# Altium PCB MB1166.PcbDoc (part 39 of 39)
Units mil, origin at the board's own origin, x right, y up, seen from the top; angles counter-clockwise.
Board outline 5000.99 x 2352.96 mil, 4 copper layers (TOP, L2_GND, L3_VCC, BOTTOM), stack 25.9 mil thick; 35 components, 24 nets, 166 pads, 143 vias.
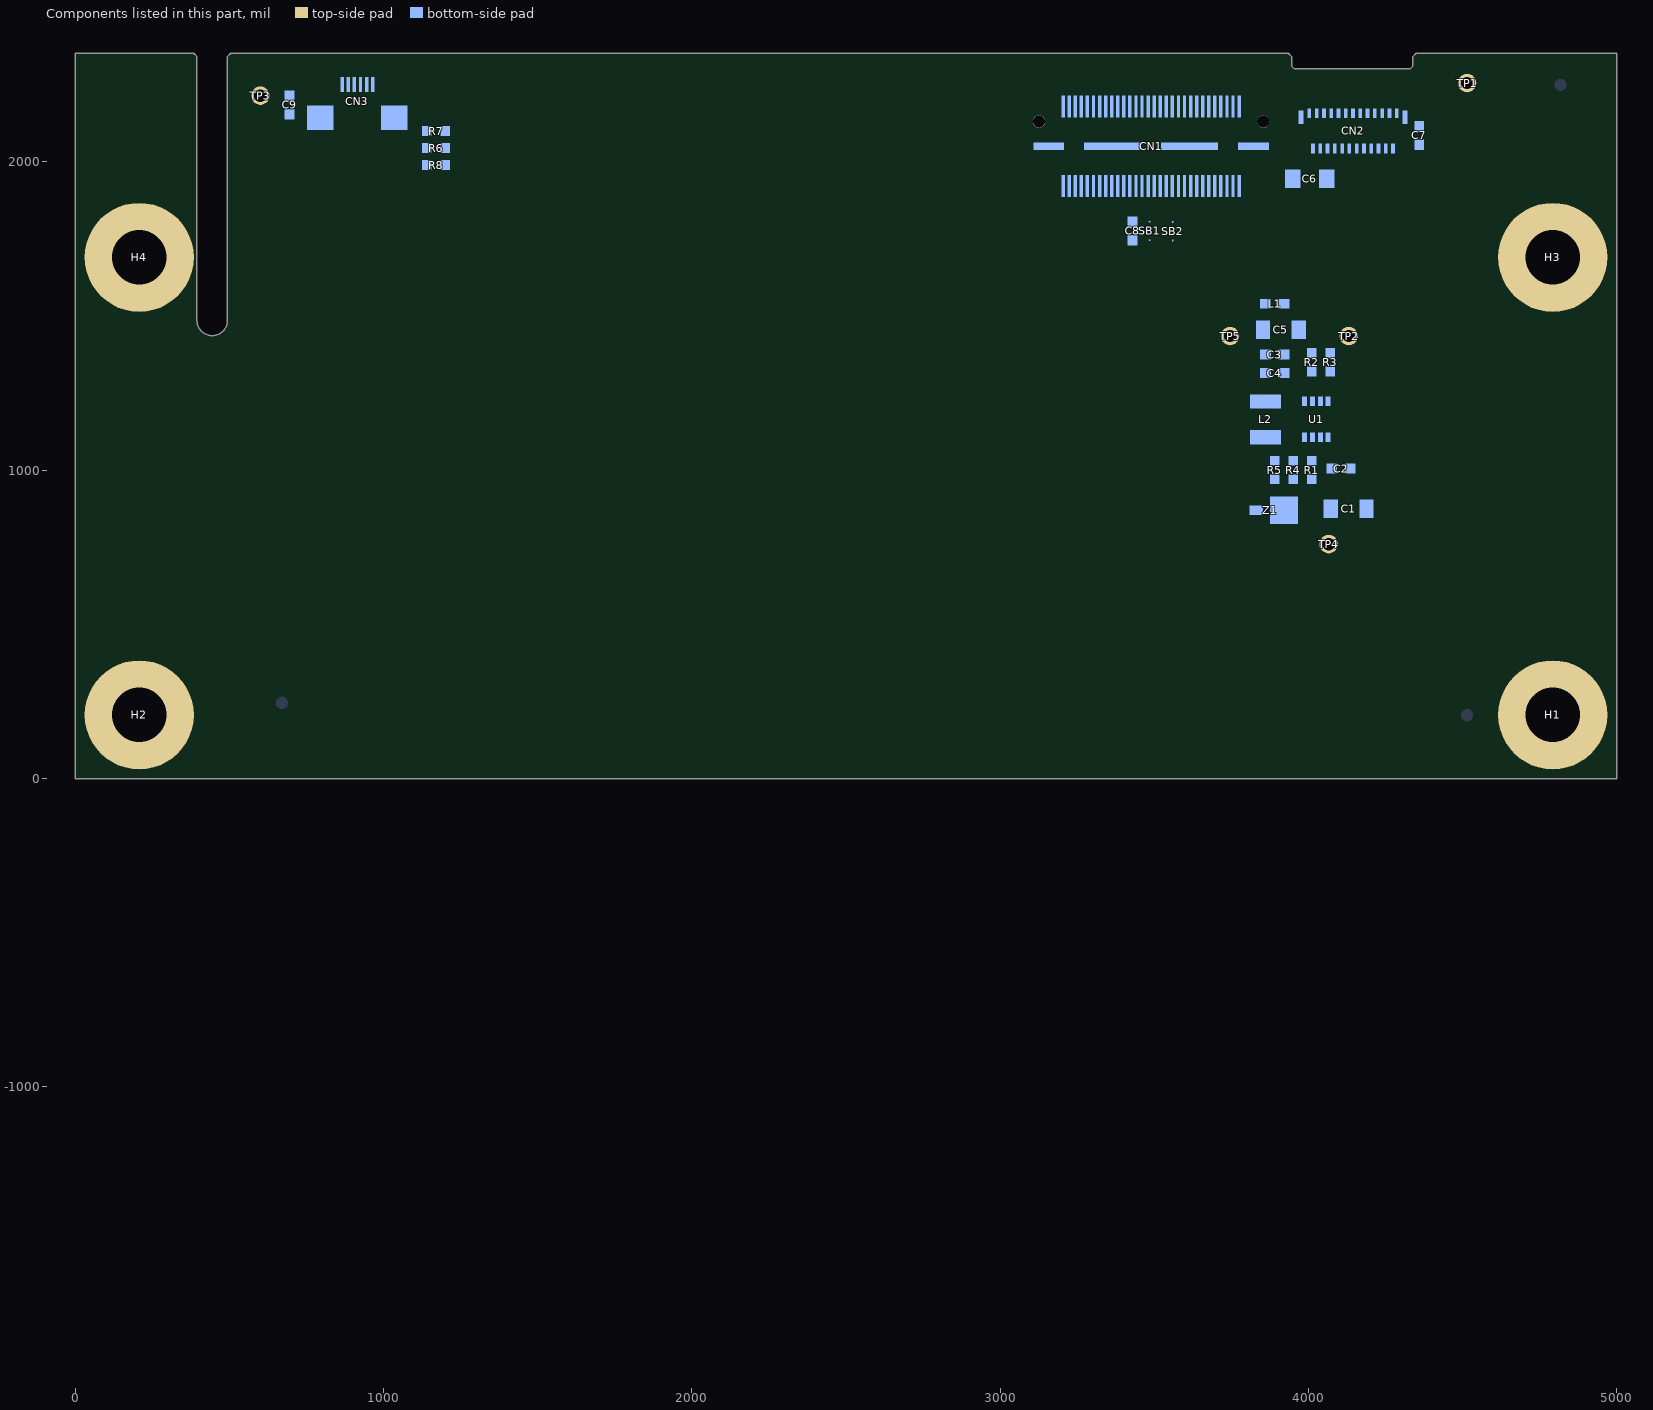
[diagram p41: the components of this part, seen from the top]

## Silkscreen, mask and mechanical layers (free items; w line width, h text height) (continued)
Drill Drawing:
  drawing of 25425 lines, arcs and shapes, not listed
  text "4" at 660,7300 h130
  text "4" at 660,7300 h130
  text "3" at 4660,7300 h130
  text "3" at 4660,7300 h130
  text "2" at 8660,7300 h130
  text "2" at 8660,7300 h130
  text "1" at 12660,7300 h130
  text "1" at 12660,7300 h130
  text "H" at 6787.98,6639.09 h75
  text "H" at 6787.98,6639.09 h75
  text "LAYER STACK-UP" at 6987.98,6639.09 h75
  text "LAYER STACK-UP" at 6987.98,6639.09 h75
  text "SOLDERMASK & SILKSCREEN" at 8677.98,6454.09 h60
  text "SOLDERMASK & SILKSCREEN" at 8677.98,6454.09 h60
  text "DRILL CHART: TOP to BOTTOM" at 1521.99,6448.46 h75
  text "LAYER 1 (0.5 oz cu+plating)" at 8686.68,6314.79 h60
  text "LAYER 1 (0.5 oz cu+plating)" at 8686.68,6314.79 h60
  text "ALL UNITS ARE IN MILS" at 1671.99,6198.46 h75
  text "PREPREG  3.9 MIL" at 7377.98,6154.09 h60
  text "PREPREG  3.9 MIL" at 7377.98,6154.09 h60
  text "LAYER 2 (1 oz)" at 8677.98,6029.09 h60
  text "LAYER 2 (1 oz)" at 8677.98,6029.09 h60
  text "FIGURE" at 525.99,5993.46 h75
  text "SIZE" at 1118.99,5993.46 h75
  text "TOLERANCE" at 1749.99,5993.46 h75
  text "PLATED" at 2651.99,5993.46 h75
  text "ROTATION" at 3217.99,5993.46 h75
  text "QTY" at 3838.99,5993.46 h75
  text "63 mil" at 6672.48,5986.59 h50
  text "63 mil" at 6672.48,5986.59 h50
  text "+/-10%" at 6677.98,5929.09 h40
  text "+/-10%" at 6677.98,5929.09 h40
  text "CORE" at 7367.98,5909.09 h60
  text "CORE" at 7367.98,5909.09 h60
  text "LAYER 3 (1 oz)" at 8677.98,5829.09 h60
  text "LAYER 3 (1 oz)" at 8677.98,5829.09 h60
  text "D" at -1590,5800 h130
  text "D" at -1590,5800 h130
  text "D" at 14710,5800 h130
  text "D" at 14710,5800 h130
  text "12.0" at 1118.99,5730.71 h75
  text "+3.0/-3.0" at 1749.99,5730.71 h75
  text "PLATED" at 2651.99,5730.71 h75
  text "-" at 3427.99,5730.71 h75
  text "143" at 3838.99,5730.71 h75
  text "PREPREG  3.9 MIL" at 7377.98,5654.09 h60
  text "PREPREG  3.9 MIL" at 7377.98,5654.09 h60
  text "LAYER 4 (0.5 oz cu+plating)" at 8677.98,5504.09 h60
  text "LAYER 4 (0.5 oz cu+plating)" at 8677.98,5504.09 h60
  text "40.0" at 1118.99,5465.21 h75
  text "+3.0/-3.0" at 1749.99,5465.21 h75
  text "PLATED" at 2651.99,5465.21 h75
  text "-" at 3427.99,5465.21 h75
  text "5" at 3898.99,5465.21 h75
  text "SOLDERMASK & SILKSCREEN" at 8677.98,5384.09 h60
  text "SOLDERMASK & SILKSCREEN" at 8677.98,5384.09 h60
  text "4 LAYER STACKING" at 7277.98,5239.09 h75
  text "4 LAYER STACKING" at 7277.98,5239.09 h75
  text "177.0" at 1088.99,5199.71 h75
  text "+3.0/-3.0" at 1749.99,5199.71 h75
  text "PLATED" at 2651.99,5199.71 h75
  text "-" at 3427.99,5199.71 h75
  text "4" at 3898.99,5199.71 h75
  text "40.0" at 1118.99,4934.21 h75
  text "+2.0/-2.0" at 1749.99,4934.21 h75
  text "NON-PLATED" at 2531.99,4934.21 h75
  text "-" at 3427.99,4934.21 h75
  text "2" at 3898.99,4934.21 h75
  text "TOTAL HOLES:" at 2944.99,4668.71 h75
  text "154" at 3838.99,4668.71 h75
  text "PCB SPECIFICATIONS:" at 6563.67,4629.59 h85
  text "PCB SPECIFICATIONS:" at 6563.67,4629.59 h85
  text "A. MATERIAL;" at 6563.67,4429.59 h85
  text "A. MATERIAL;" at 6563.67,4429.59 h85
  text "FR-4," at 8313.67,4429.59 h85
  text "FR-4," at 8313.67,4429.59 h85
  text "TG-170" at 9263.67,4429.59 h85
  text "TG-170" at 9263.67,4429.59 h85
  text "TG-150" at 10013.67,4429.59 h85
  text "TG-150" at 10013.67,4429.59 h85
  text "TG-140" at 10863.67,4429.59 h85
  text "TG-140" at 10863.67,4429.59 h85
  text "B. MATERIAL FAMILY;" at 6563.67,4229.59 h85
  text "B. MATERIAL FAMILY;" at 6563.67,4229.59 h85
  text "N/A." at 8313.67,4229.59 h85
  text "N/A." at 8313.67,4229.59 h85
  text "C. SOLDERMASK COLOR;" at 6563.67,4029.59 h85
  text "C. SOLDERMASK COLOR;" at 6563.67,4029.59 h85
  text "GREEN" at 8463.67,4029.59 h85
  text "GREEN" at 8463.67,4029.59 h85
  text "BLUE" at 9213.67,4029.59 h85
  text "BLUE" at 9213.67,4029.59 h85
  text "RED" at 10063.67,4029.59 h85
  text "RED" at 10063.67,4029.59 h85
  text "BLACK" at 10913.67,4029.59 h85
  text "BLACK" at 10913.67,4029.59 h85
  text "5" at 59.91,3948.94 h75
  text "5" at 59.91,3948.94 h75
  text "IMPEDANCE TABLE" at 249.91,3938.94 h85
  text "IMPEDANCE TABLE" at 249.91,3938.94 h85
  text "D. SILKSCREEN COLOR;" at 6563.67,3829.59 h85
  text "D. SILKSCREEN COLOR;" at 6563.67,3829.59 h85
  text "WHITE" at 8463.67,3829.59 h85
  text "WHITE" at 8463.67,3829.59 h85
  text "YELLOW" at 9213.67,3829.59 h85
  text "YELLOW" at 9213.67,3829.59 h85
  text "BLACK" at 10063.67,3829.59 h85
  text "BLACK" at 10063.67,3829.59 h85
  text "LAYER" at 259.91,3668.94 h75
  text "LAYER" at 259.91,3668.94 h75
  text "TOLERANCE" at 4009.91,3668.94 h75
  text "TOLERANCE" at 4009.91,3668.94 h75
  text "TRACE" at 1009.91,3658.94 h75
  text "TRACE" at 1009.91,3658.94 h75
  text "SPACEING" at 1559.91,3658.94 h75
  text "SPACEING" at 1559.91,3658.94 h75
  text "IMPEDANCE" at 2309.91,3658.94 h75
  text "IMPEDANCE" at 2309.91,3658.94 h75
  text "IMPEDANCE" at 3209.91,3658.94 h75
  text "IMPEDANCE" at 3209.91,3658.94 h75
  text "E. SURFACE FINISH;" at 6563.67,3629.59 h85
  text "E. SURFACE FINISH;" at 6563.67,3629.59 h85
  text "ENIG" at 8463.67,3629.59 h85
  text "ENIG" at 8463.67,3629.59 h85
  text "IMMERSION SILVER" at 9213.67,3629.59 h85
  text "IMMERSION SILVER" at 9213.67,3629.59 h85
  text "IMMERSION TIN" at 10913.67,3629.59 h85
  text "IMMERSION TIN" at 10913.67,3629.59 h85
  text "(mil)" at 1059.91,3568.94 h50
  text "(mil)" at 1059.91,3568.94 h50
  text "(Single end)" at 2359.91,3568.94 h50
  text "(Single end)" at 2359.91,3568.94 h50
  text "(mil)" at 1659.91,3558.94 h50
  text "(mil)" at 1659.91,3558.94 h50
  text "(Differential)" at 3209.91,3558.94 h50
  text "(Differential)" at 3209.91,3558.94 h50
  text "HASL" at 8463.67,3429.59 h85
  text "HASL" at 8463.67,3429.59 h85
  text "HASL(PB-FREE)" at 9213.67,3429.59 h85
  text "HASL(PB-FREE)" at 9213.67,3429.59 h85
  text "GOLDEN FINGER" at 10913.67,3429.59 h85
  text "GOLDEN FINGER" at 10913.67,3429.59 h85
  text "55 OHM" at 2300.64,3349.18 h75
  text "N/A" at 1651.71,3344.51 h75
  text "N/A" at 3334.72,3339.84 h75
  text "1,4" at 214.58,3338.36 h75
  text "5" at 1064.58,3338.36 h75
  text "+/-10%" at 4114.58,3338.36 h75
  text "C" at -1590,3290 h130
  text "C" at -1590,3290 h130
  text "C" at 14710,3290 h130
  text "C" at 14710,3290 h130
  text "NO" at 8463.67,3229.59 h85
  text "NO" at 8463.67,3229.59 h85
  text "YES" at 9213.67,3229.59 h85
  text "YES" at 9213.67,3229.59 h85
  text "(SEE IMPEDANCE TABLE FOR DETAIL INFORMATION)" at 9413.67,3229.59 h85
  text "(SEE IMPEDANCE TABLE FOR DETAIL INFORMATION)" at 9413.67,3229.59 h85
  text "F. IMPEDANCE CONTROL;" at 6660.67,3219.59 h85
  text "F. IMPEDANCE CONTROL;" at 6660.67,3219.59 h85
  text "1,4" at 209.91,3118.94 h75
  text "1,4" at 209.91,3118.94 h75
  text "5.1" at 1059.91,3118.94 h75
  text "5.1" at 1059.91,3118.94 h75
  text "9.9" at 1709.91,3118.94 h75
  text "9.9" at 1709.91,3118.94 h75
  text "N/A" at 2459.91,3118.94 h75
  text "N/A" at 2459.91,3118.94 h75
  text "100 OHM" at 3259.91,3118.94 h75
  text "100 OHM" at 3259.91,3118.94 h75
  text "+/-10%" at 4109.91,3118.94 h75
  text "+/-10%" at 4109.91,3118.94 h75
  text "PLUG THE VIAS WHICH ARE COVERED WITH SOLDERMASK ONE OR TWO SIDE." at 8013.67,3029.59 h85
  text "PLUG THE VIAS WHICH ARE COVERED WITH SOLDERMASK ONE OR TWO SIDE." at 8013.67,3029.59 h85
  text "G. THROUGH VIA;" at 6660.67,3019.59 h85
  text "G. THROUGH VIA;" at 6660.67,3019.59 h85
  text "PLUG MATERIAL:" at 8013.67,2829.59 h85
  text "PLUG MATERIAL:" at 8013.67,2829.59 h85
  text "SOLDERMASK" at 9613.67,2829.59 h85
  text "SOLDERMASK" at 9613.67,2829.59 h85
  text "NON-CONDUCTIVE EPOXY." at 10913.67,2829.59 h85
  text "NON-CONDUCTIVE EPOXY." at 10913.67,2829.59 h85
  text "SEE LAYER STACK-UP SEQUENCE FOR OVERALL THICKNESS." at 8013.67,2629.59 h85
  text "SEE LAYER STACK-UP SEQUENCE FOR OVERALL THICKNESS." at 8013.67,2629.59 h85
  text "H. STACK-UP;" at 6660.67,2619.59 h85
  text "H. STACK-UP;" at 6660.67,2619.59 h85
  text "PCB REQUIREMENTS:" at 6553.67,2329.59 h85
  text "PCB REQUIREMENTS:" at 6553.67,2329.59 h85
  text "1. THIS BOARD WILL CONFORM TO:" at 6503.67,2129.59 h85
  text "1. THIS BOARD WILL CONFORM TO:" at 6503.67,2129.59 h85
  text "IPC-A-600. CURRENT REV., CLASS II" at 6503.67,1979.59 h85
  text "IPC-A-600. CURRENT REV., CLASS II" at 6503.67,1979.59 h85
  text "IPC-6012, CURRENT REV., CLASS II" at 6503.67,1829.59 h85
  text "IPC-6012, CURRENT REV., CLASS II" at 6503.67,1829.59 h85
  text "2. UNLESS OTHERWISE SPECIFIED ALL HOLE DIMENSIONS APPLY AFTER PLATING." at 6503.67,1619.59 h85
  text "2. UNLESS OTHERWISE SPECIFIED ALL HOLE DIMENSIONS APPLY AFTER PLATING." at 6503.67,1619.59 h85
  text "ALL HOLES SHALL BE LOCATED WITHIN .003\" DIAMETER OF TRUE POSITION." at 6503.67,1469.59 h85
  text "ALL HOLES SHALL BE LOCATED WITHIN .003\" DIAMETER OF TRUE POSITION." at 6503.67,1469.59 h85
  text "3. PLATED HOLE WALL THICKNESS SHALL NOT BE LESS THAN .001 INCH MINIMUM" at 6503.67,1269.59 h85
  text "3. PLATED HOLE WALL THICKNESS SHALL NOT BE LESS THAN .001 INCH MINIMUM" at 6503.67,1269.59 h85
  text "AVERAGE, WITH NO READING LESS THAN .0008 BY COROSS SECTION." at 6683.67,1129.59 h85
  text "AVERAGE, WITH NO READING LESS THAN .0008 BY COROSS SECTION." at 6683.67,1129.59 h85
  text "59.74" at -275.21,1007.78 h85 r90
  text "59.74" at -275.21,1007.78 h85 r90
  text "4. MATERIAL FR4 RATING 94V-0 MINIMUM EPOXY GLASS LAMINATE." at 6503.67,919.59 h85
  text "4. MATERIAL FR4 RATING 94V-0 MINIMUM EPOXY GLASS LAMINATE." at 6503.67,919.59 h85
  text "B" at -1590,780 h130
  text "B" at -1590,780 h130
  text "B" at 14710,780 h130
  text "B" at 14710,780 h130
  text "5. BOARD SHALL BE LPI SOLDER MASKED OVER BARE COPPER BOTH SIDES PER" at 6503.67,739.59 h85
  text "5. BOARD SHALL BE LPI SOLDER MASKED OVER BARE COPPER BOTH SIDES PER" at 6503.67,739.59 h85
  text "IPC-SM-840 CLASS II." at 6503.67,589.59 h85
  text "IPC-SM-840 CLASS II." at 6503.67,589.59 h85
  text "6. SILKSCREEN SHALL BE PERMANENT NON-CONDUCTIVE INK AND WITH NO OVERLAP" at 6503.67,389.59 h85
  text "6. SILKSCREEN SHALL BE PERMANENT NON-CONDUCTIVE INK AND WITH NO OVERLAP" at 6503.67,389.59 h85
  text "ON ANY COMPONENT PAD OR THROUGH HOLE." at 6503.67,239.59 h85
  text "ON ANY COMPONENT PAD OR THROUGH HOLE." at 6503.67,239.59 h85
  text "7. MFGR, TO LEGIBLY ETCH OR STAMP/SCREEN WITH PERMANENT NON-CONDUCTIVE INK" at 6503.67,39.59 h85
  text "7. MFGR, TO LEGIBLY ETCH OR STAMP/SCREEN WITH PERMANENT NON-CONDUCTIVE INK" at 6503.67,39.59 h85
  text "D. MFGR. LOGO" at 8353.67,-90.41 h85
  text "D. MFGR. LOGO" at 8353.67,-90.41 h85
  text "A. U.L. CODE" at 6793.67,-110.41 h85
  text "A. U.L. CODE" at 6793.67,-110.41 h85
  text "127" at 2429.5,-172.5 h85
  text "127" at 2429.5,-172.5 h85
  text "E. SUCCESSFUL ELECTRICAL BOARD TEST." at 8353.67,-230.41 h85
  text "E. SUCCESSFUL ELECTRICAL BOARD TEST." at 8353.67,-230.41 h85
  text "B. DATE CODE" at 6793.67,-250.41 h85
  text "B. DATE CODE" at 6793.67,-250.41 h85
  text "C. FLAMMABILITY RATING" at 6793.67,-390.41 h85
  text "C. FLAMMABILITY RATING" at 6793.67,-390.41 h85
  text "8. REMOVE THE FLASHS WHICH SMALLER THAN HOLE SIZE." at 6503.67,-600.41 h85
  text "8. REMOVE THE FLASHS WHICH SMALLER THAN HOLE SIZE." at 6503.67,-600.41 h85
  text "9. REMOVE ALL SHAPE EDGES AND BURRS .005 MAXIMUM." at 6503.67,-800.41 h85
  text "9. REMOVE ALL SHAPE EDGES AND BURRS .005 MAXIMUM." at 6503.67,-800.41 h85
  text "10. PLEASE USE THE SUPPLIED IPC 356 NETLIST TO VERIFY BOARD BEFORE" at 6503.67,-1010.41 h85
  text "10. PLEASE USE THE SUPPLIED IPC 356 NETLIST TO VERIFY BOARD BEFORE" at 6503.67,-1010.41 h85
  text "COMPANY NAME:" at 3360,-1080 h60
  text "LAYER:" at 1760,-1130 h75
  text "FABRICATING BOARD." at 6503.67,-1160.41 h85
  text "FABRICATING BOARD." at 6503.67,-1160.41 h85
  text "ST" at 3510,-1230 h75
  text "FAB DARWING & DRILL LEGEND" at 1810,-1280 h60
  text "FAB DARWING & DRILL LEGEND" at 1810,-1280 h60
  text "PROJECT NAME:" at 3360,-1380 h60
  text "DESIGNED BY SOFER" at 490,-1400 h60
  text "www.sofer.com.cn" at 510,-1500 h60
  text "DESIGNER:" at 1810,-1530 h60
  text "Shelley" at 2310,-1530 h60
  text "MB1166" at 3510,-1530 h75
  text "Tel : +86 21 - 6482 6908" at 310,-1680 h60
  text "PROJECT NUMBER:" at 3360,-1680 h60
  text "REV" at 4560,-1680 h60
  text "A" at -1590,-1730 h130
  text "A" at -1590,-1730 h130
  text "A" at 14710,-1730 h130
  text "A" at 14710,-1730 h130
  text "Mail: design@sofer.com.cn" at 310,-1780 h60
  text "DATE:" at 1810,-1780 h60
  text "2014.08.27" at 2110,-1780 h60
  text "D031-013B1" at 3510,-1830 h75
  text "A" at 4660,-1830 h75
  text "4" at 660,-3400 h130
  text "4" at 660,-3400 h130
  text "3" at 4660,-3400 h130
  text "3" at 4660,-3400 h130
  text "2" at 8660,-3400 h130
  text "2" at 8660,-3400 h130
  text "1" at 12660,-3400 h130
  text "1" at 12660,-3400 h130
LAY6:
  lines w6: 0,0 4999.99,0 4999.99,2351.96 4350,2351.96 ccw(c4350,2341.96) 4340,2341.96 4340,2311.3 cw(c4330,2311.3) 4330,2301.3 3955,2301.3 cw(c3955,2311.3) 3945,2311.3 3945,2341.96 ccw(c3935,2341.96) 3935,2351.96 503.74,2351.96 ccw(c503.74,2341.96) 493.74,2341.96 493.74,1485.99 cw(c443.74,1485.99) 443.74,1435.99 cw(c443.74,1485.99) 393.74,1485.99 393.74,2341.96 ccw(c383.74,2341.96) 383.74,2351.96 0,2351.96 0,0
LAYER_COUNT:
  text "/XX" at 2260,-1130 h75
  text "/XX" at 2260,-1130 h75
ASSEMBLY_BOTTOM:
  lines w5: 846.49,2447.24 979.92,2447.24 ; 846.49,2488.58 979.92,2488.58 ; 3989.8,2135.43 4296.89,2135.43 ; 3989.8,2174.8 4296.89,2174.8 ; 433.11,1550 433.11,1786.22 570.9,1786.22 ccw(c570.91,1805.9) 590.59,1805.9 590.59,1845.27 cw(c610.28,1845.27) 610.27,1864.96 807.12,1864.96 ccw(c807.12,1904.33) 846.49,1904.33 846.49,2585.04 984.29,2585.04 984.29,1864.96 984.29,1490.94 cw(c964.61,1490.94) 964.6,1471.26 610.27,1471.26 cw(c610.27,1490.94) 590.59,1490.94 590.59,1530.31 ccw(c570.9,1530.31) 570.9,1550 433.11,1550 ; 3989.8,2037 3989.8,2351.96 4296.89,2351.96 4296.89,2037 3989.8,2037
  text "1" at 732.81,2530.98 h35
  text "6" at 827.81,2530.98 h35
  text "1" at 4019.64,2077.61 h35
  text "25" at 4210.64,2072.61 h35
  text "ASSEMBLY (SECONDARY)" at 3070,-1280 h60
  text "ASSEMBLY (SECONDARY)" at 3070,-1280 h60
ASSEMBLY_TOP:
  lines w5: 393.74,0 4603.58,0 4603.58,2351.96 393.74,2351.96 393.74,0 ; 768.94,139.76 768.94,2212.2 4202.01,2212.2 4202.01,139.76 768.94,139.76
  text "U88" at 2450.66,1160.98 h40
  text "Value" at 2478.66,-189.02 h30
  text "ASSEMBLY (PRIMARY)" at 1810,-1280 h60
  text "ASSEMBLY (PRIMARY)" at 1810,-1280 h60
MP_DRAWING:
  text "MUTI-PACK DRAWING" at 1810,-1280 h60
  text "MUTI-PACK DRAWING" at 1810,-1280 h60
REVISION_BLOCK:
  lines w1: 10460,5950 10460,7200 10460,5950 ; 10460,6150 14610,6150 10460,6150 ; 10460,6350 14610,6350 10460,6350 ; 10460,6550 14610,6550 10460,6550 ; 10460,6750 14610,6750 10460,6750 ; 10460,6950 14610,6950 10460,6950 ; 10860,5950 10860,6950 10860,5950 ; 13060,5950 13060,6950 13060,5950 ; 13810,5950 13810,6950 13810,5950
REVISION_DATA:
  text "REVISIONS" at 12010,7050 h85
  text "REVISIONS" at 12010,7050 h85
  text "REV" at 10560,6800 h75
  text "REV" at 10560,6800 h75
  text "DESCRIPTION" at 11110,6800 h75
  text "DESCRIPTION" at 11110,6800 h75
  text "DATE" at 13260,6800 h75
  text "DATE" at 13260,6800 h75
  text "APPROVED" at 13860,6800 h75
  text "APPROVED" at 13860,6800 h75
  text "1.0" at 10560,6600 h75
  text "1.0" at 10560,6600 h75
  text "EDITION ORIGINALE" at 11110,6600 h75
  text "EDITION ORIGINALE" at 11110,6600 h75
  text "2008-**-**" at 13110,6600 h75
  text "2008-**-**" at 13110,6600 h75
  text "***" at 14120,6600 h75
  text "***" at 14120,6600 h75
PLACE_BOUND_TOP:
  lines w5: 2207.66,2792.98 2667.66,2792.98
  text "Sofer Lib Information" at 2207.66,2802.98 h25
  text "Ref PN: KM-040TMP-02" at 2237.66,2752.98 h25
  text "Creat : Yuki" at 2237.66,2712.98 h25
  text "Date  : 2014-08-06" at 2237.66,2672.98 h25
  text "Rev   : A1" at 2237.66,2632.98 h25
  text "Remark: D031A1-B1" at 2237.66,2592.98 h25
  text "NO" at 2470.66,1175.98 h35
  text "LCD_KM-040TMP-02" at 2316.66,-189.02 h30

## Text inside footprints (layer, text, board x,y; h text height)
C1: PLACE_BOUND_TOP "C1206" at 4060.98,955 h30 r180; PLACE_BOUND_TOP "Remark: ***" at 4034.98,803 h25 r180; PLACE_BOUND_TOP "Rev   : C1" at 4034.98,763 h25 r180; PLACE_BOUND_TOP "Date  : 2010-12-15" at 4034.98,723 h25 r180; PLACE_BOUND_TOP "Creat : Sofer Tech" at 4034.98,683 h25 r180; PLACE_BOUND_TOP "Ref PN: ***" at 4034.98,643 h25 r180; PLACE_BOUND_TOP "Sofer Lib Information" at 4004.98,593 h25 r180; PLACE_BOUND_TOP "Approved" at 4018.98,875 h35 r180; PLACE_BOUND_TOP "2" at 4182.58,875 h16 r180; PLACE_BOUND_TOP "1" at 4066.58,875 h16 r180; ASSEMBLY_BOTTOM "4.7uF_50V" at 4012.98,955 h30 r180
C2: PLACE_BOUND_TOP "Remark: ***" at 4201.98,1072 h25; PLACE_BOUND_TOP "Rev   : B1" at 4201.98,1112 h25; PLACE_BOUND_TOP "Date  : 2007-05-10" at 4201.98,1152 h25; PLACE_BOUND_TOP "Creat : Sofer Tech" at 4201.98,1192 h25; PLACE_BOUND_TOP "Ref PN: ***" at 4201.98,1232 h25; PLACE_BOUND_TOP "Sofer Lib Information" at 4231.98,1282 h25; PLACE_BOUND_TOP "Approved" at 3993.98,1005 h35; PLACE_BOUND_TOP "C0603" at 4045.98,940 h30; PLACE_BOUND_TOP "1" at 4129.58,1005 h16; PLACE_BOUND_TOP "2" at 4069.58,1005 h16
C3: PLACE_BOUND_TOP "Remark: ***" at 3986.98,1442 h25; PLACE_BOUND_TOP "Rev   : B1" at 3986.98,1482 h25; PLACE_BOUND_TOP "Date  : 2007-05-10" at 3986.98,1522 h25; PLACE_BOUND_TOP "Creat : Sofer Tech" at 3986.98,1562 h25; PLACE_BOUND_TOP "Ref PN: ***" at 3986.98,1602 h25; PLACE_BOUND_TOP "Sofer Lib Information" at 4016.98,1652 h25; PLACE_BOUND_TOP "Approved" at 3778.98,1375 h35; PLACE_BOUND_TOP "C0603" at 3830.98,1310 h30; PLACE_BOUND_TOP "2" at 3854.58,1375 h16; PLACE_BOUND_TOP "1" at 3914.58,1375 h16
C4: PLACE_BOUND_TOP "Remark: ***" at 3986.98,1382 h25; PLACE_BOUND_TOP "Rev   : B1" at 3986.98,1422 h25; PLACE_BOUND_TOP "Date  : 2007-05-10" at 3986.98,1462 h25; PLACE_BOUND_TOP "Creat : Sofer Tech" at 3986.98,1502 h25; PLACE_BOUND_TOP "Ref PN: ***" at 3986.98,1542 h25; PLACE_BOUND_TOP "Sofer Lib Information" at 4016.98,1592 h25; PLACE_BOUND_TOP "Approved" at 3778.98,1315 h35; PLACE_BOUND_TOP "C0603" at 3830.98,1250 h30; PLACE_BOUND_TOP "2" at 3854.58,1315 h16; PLACE_BOUND_TOP "1" at 3914.58,1315 h16
C5: PLACE_BOUND_TOP "C1206" at 3840.98,1535 h30 r180; PLACE_BOUND_TOP "Remark: ***" at 3814.98,1383 h25 r180; PLACE_BOUND_TOP "Rev   : C1" at 3814.98,1343 h25 r180; PLACE_BOUND_TOP "Date  : 2010-12-15" at 3814.98,1303 h25 r180; PLACE_BOUND_TOP "Creat : Sofer Tech" at 3814.98,1263 h25 r180; PLACE_BOUND_TOP "Ref PN: ***" at 3814.98,1223 h25 r180; PLACE_BOUND_TOP "Sofer Lib Information" at 3784.98,1173 h25 r180; PLACE_BOUND_TOP "Approved" at 3798.98,1455 h35 r180; PLACE_BOUND_TOP "1" at 3846.58,1455 h16 r180; PLACE_BOUND_TOP "2" at 3962.58,1455 h16 r180; ASSEMBLY_BOTTOM "4.7uF_10V" at 3792.98,1535 h30 r180
C6: PLACE_BOUND_TOP "1" at 4053.6,1945.98 h16 r180; PLACE_BOUND_TOP "2" at 3943.6,1945.98 h16 r180
C7: PLACE_BOUND_TOP "Remark: ***" at 4427,1989.98 h25 r270; PLACE_BOUND_TOP "Rev   : B1" at 4467,1989.98 h25 r270; PLACE_BOUND_TOP "Date  : 2007-05-10" at 4507,1989.98 h25 r270; PLACE_BOUND_TOP "Creat : Sofer Tech" at 4547,1989.98 h25 r270; PLACE_BOUND_TOP "Ref PN: ***" at 4587,1989.98 h25 r270; PLACE_BOUND_TOP "Sofer Lib Information" at 4637,1959.98 h25 r270; PLACE_BOUND_TOP "Approved" at 4248,2085.98 h35 r270; PLACE_BOUND_TOP "C0603" at 4235,2085.98 h30 r270; PLACE_BOUND_TOP "2" at 4353.6,2115.98 h16 r270; PLACE_BOUND_TOP "1" at 4353.6,2055.98 h16 r270
C8: PLACE_BOUND_TOP "Remark: ***" at 3497,1679.98 h25 r270; PLACE_BOUND_TOP "Rev   : B1" at 3537,1679.98 h25 r270; PLACE_BOUND_TOP "Date  : 2007-05-10" at 3577,1679.98 h25 r270; PLACE_BOUND_TOP "Creat : Sofer Tech" at 3617,1679.98 h25 r270; PLACE_BOUND_TOP "Ref PN: ***" at 3657,1679.98 h25 r270; PLACE_BOUND_TOP "Sofer Lib Information" at 3707,1649.98 h25 r270; PLACE_BOUND_TOP "Approved" at 3318,1775.98 h35 r270; PLACE_BOUND_TOP "C0603" at 3305,1775.98 h30 r270; PLACE_BOUND_TOP "2" at 3423.6,1805.98 h16 r270; PLACE_BOUND_TOP "1" at 3423.6,1745.98 h16 r270
C9: PLACE_BOUND_TOP "Remark: ***" at 762,2089 h25 r270; PLACE_BOUND_TOP "Rev   : B1" at 802,2089 h25 r270; PLACE_BOUND_TOP "Date  : 2007-05-10" at 842,2089 h25 r270; PLACE_BOUND_TOP "Creat : Sofer Tech" at 882,2089 h25 r270; PLACE_BOUND_TOP "Ref PN: ***" at 922,2089 h25 r270; PLACE_BOUND_TOP "Sofer Lib Information" at 972,2059 h25 r270; PLACE_BOUND_TOP "Approved" at 583,2185 h35 r270; PLACE_BOUND_TOP "C0603" at 570,2185 h30 r270; PLACE_BOUND_TOP "2" at 688.6,2215 h16 r270; PLACE_BOUND_TOP "1" at 688.6,2155 h16 r270
CN1: PLACE_BOUND_TOP "Remark: D031-013A1" at 3771,2292.98 h25; PLACE_BOUND_TOP "Rev   : A1" at 3771,2332.98 h25; PLACE_BOUND_TOP "Date  : 2014-08-05" at 3771,2372.98 h25; PLACE_BOUND_TOP "Creat : Ziv" at 3771,2412.98 h25; PLACE_BOUND_TOP "Ref PN: QTH-030-02-F-D-A" at 3771,2452.98 h25; PLACE_BOUND_TOP "Sofer Lib Information" at 3801,2502.98 h25; PLACE_BOUND_TOP "QTH-30-02-L-D-A" at 3310,1755.98 h30; PLACE_BOUND_TOP "36" at 3428.01,1921.85 h15.98; PLACE_BOUND_TOP "4" at 3749.36,1921.85 h15.98; PLACE_BOUND_TOP "40" at 3388.64,1921.85 h15.98; PLACE_BOUND_TOP "44" at 3349.27,1921.85 h15.98; PLACE_BOUND_TOP "61" at 3809.7,2050.98 h15.98; PLACE_BOUND_TOP "62" at 3602.22,2050.98 h15.98; PLACE_BOUND_TOP "7" at 3709.99,2180.11 h15.98; PLACE_BOUND_TOP "1" at 3769.04,2180.11 h15.98; PLACE_BOUND_TOP "63" at 3352.22,2050.98 h15.98; PLACE_BOUND_TOP "64" at 3144.74,2050.98 h15.98; PLACE_BOUND_TOP "13" at 3644.54,2180.11 h15.98; PLACE_BOUND_TOP "19" at 3585.49,2180.11 h15.98; PLACE_BOUND_TOP "23" at 3546.12,2180.11 h15.98; PLACE_BOUND_TOP "21" at 3565.8,2180.11 h15.98; PLACE_BOUND_TOP "29" at 3487.06,2180.11 h15.98; PLACE_BOUND_TOP "27" at 3506.75,2180.11 h15.98; PLACE_BOUND_TOP "53" at 3250.84,2180.11 h15.98; PLACE_BOUND_TOP "49" at 3290.21,2180.11 h15.98; PLACE_BOUND_TOP "57" at 3211.47,2180.11 h15.98; PLACE_BOUND_TOP "32" at 3467.38,1921.85 h15.98; PLACE_BOUND_TOP "15" at 3624.86,2180.11 h15.98; PLACE_BOUND_TOP "17" at 3605.17,2180.11 h15.98; PLACE_BOUND_TOP "9" at 3690.3,2180.11 h15.98; PLACE_BOUND_TOP "11" at 3664.23,2180.11 h15.98; PLACE_BOUND_TOP "3" at 3749.36,2180.11 h15.98; PLACE_BOUND_TOP "5" at 3729.67,2180.11 h15.98; PLACE_BOUND_TOP "59" at 3191.79,2180.11 h15.98; PLACE_BOUND_TOP "58" at 3211.47,1921.85 h15.98; PLACE_BOUND_TOP "60" at 3191.79,1921.85 h15.98; PLACE_BOUND_TOP "51" at 3270.53,2180.11 h15.98; PLACE_BOUND_TOP "55" at 3231.16,2180.11 h15.98; PLACE_BOUND_TOP "50" at 3290.21,1921.85 h15.98; PLACE_BOUND_TOP "52" at 3270.53,1921.85 h15.98; PLACE_BOUND_TOP "54" at 3250.84,1921.85 h15.98; PLACE_BOUND_TOP "56" at 3231.16,1921.85 h15.98; PLACE_BOUND_TOP "47" at 3309.9,2180.11 h15.98; PLACE_BOUND_TOP "39" at 3388.64,2180.11 h15.98; PLACE_BOUND_TOP "41" at 3368.95,2180.11 h15.98; PLACE_BOUND_TOP "43" at 3349.27,2180.11 h15.98; PLACE_BOUND_TOP "45" at 3329.58,2180.11 h15.98; PLACE_BOUND_TOP "48" at 3309.9,1921.85 h15.98; PLACE_BOUND_TOP "42" at 3368.95,1921.85 h15.98; PLACE_BOUND_TOP "46" at 3329.58,1921.85 h15.98; PLACE_BOUND_TOP "31" at 3467.38,2180.11 h15.98; PLACE_BOUND_TOP "33" at 3447.69,2180.11 h15.98; PLACE_BOUND_TOP "35" at 3428.01,2180.11 h15.98; PLACE_BOUND_TOP "37" at 3408.32,2180.11 h15.98; PLACE_BOUND_TOP "34" at 3447.69,1921.85 h15.98; PLACE_BOUND_TOP "38" at 3408.32,1921.85 h15.98; PLACE_BOUND_TOP "25" at 3526.43,2180.11 h15.98; PLACE_BOUND_TOP "22" at 3565.8,1921.85 h15.98; PLACE_BOUND_TOP "24" at 3546.12,1921.85 h15.98; PLACE_BOUND_TOP "26" at 3526.43,1921.85 h15.98; PLACE_BOUND_TOP "28" at 3506.75,1921.85 h15.98; PLACE_BOUND_TOP "30" at 3487.06,1921.85 h15.98; PLACE_BOUND_TOP "14" at 3644.54,1921.85 h15.98; PLACE_BOUND_TOP "16" at 3624.86,1921.85 h15.98; PLACE_BOUND_TOP "18" at 3605.17,1921.85 h15.98; PLACE_BOUND_TOP "20" at 3585.49,1921.85 h15.98; PLACE_BOUND_TOP "6" at 3729.67,1921.85 h15.98; PLACE_BOUND_TOP "8" at 3709.99,1921.85 h15.98; PLACE_BOUND_TOP "10" at 3683.91,1921.85 h15.98; PLACE_BOUND_TOP "12" at 3664.23,1921.85 h15.98; PLACE_BOUND_TOP "2" at 3769.04,1921.85 h15.98; Bottom Overlay "50" at 3320,1830.98 h25; Bottom Overlay "40" at 3420,1830.98 h25; Bottom Overlay "30" at 3520,1830.98 h25; Bottom Overlay "20" at 3620,1830.98 h25; Bottom Overlay "10" at 3715,1830.98 h25; Bottom Overlay "59" at 3220,2235.98 h25; Bottom Overlay "60" at 3225,1830.98 h25; Bottom Overlay "2" at 3785,1840.98 h25
CN2: PLACE_BOUND_TOP "NO" at 4117,2100.98 h35 r180; PLACE_BOUND_TOP "Remark: D031-013A1" at 3976.83,1961.89 h25 r180; PLACE_BOUND_TOP "Rev   : A1" at 3976.83,1921.89 h25 r180; PLACE_BOUND_TOP "Date  : 2014-08-05" at 3976.83,1881.89 h25 r180; PLACE_BOUND_TOP "Creat : Ziv" at 3976.83,1841.89 h25 r180; PLACE_BOUND_TOP "Ref PN: FPC03025-1420" at 3976.83,1801.89 h25 r180; PLACE_BOUND_TOP "Sofer Lib Information" at 3946.83,1751.89 h25 r180; PLACE_BOUND_TOP "FPC25_FPC03025-1420" at 3932,2290.98 h30 r180; PLACE_BOUND_TOP "21" at 4226.69,2158.07 h16 r180; PLACE_BOUND_TOP "6" at 4055.92,2043.89 h16 r180; PLACE_BOUND_TOP "23" at 4250.31,2158.07 h16 r180; PLACE_BOUND_TOP "19" at 4203.07,2158.07 h16 r180; PLACE_BOUND_TOP "25" at 4273.93,2158.07 h16 r180; PLACE_BOUND_TOP "11" at 4108.58,2158.07 h16 r180; PLACE_BOUND_TOP "15" at 4155.82,2158.07 h16 r180; PLACE_BOUND_TOP "7" at 4067.73,2158.07 h16 r180; PLACE_BOUND_TOP "4" at 4032.3,2043.89 h16 r180; PLACE_BOUND_TOP "2" at 4008.68,2043.89 h16 r180; PLACE_BOUND_TOP "24" at 4262.12,2043.89 h16 r180; PLACE_BOUND_TOP "13" at 4132.2,2158.07 h16 r180; PLACE_BOUND_TOP "17" at 4179.44,2158.07 h16 r180; PLACE_BOUND_TOP "20" at 4214.88,2043.89 h16 r180; PLACE_BOUND_TOP "1" at 3996.87,2158.07 h16 r180; PLACE_BOUND_TOP "9" at 4091.36,2158.07 h16 r180; PLACE_BOUND_TOP "22" at 4238.5,2043.89 h16 r180; PLACE_BOUND_TOP "5" at 4044.11,2158.07 h16 r180; PLACE_BOUND_TOP "18" at 4191.26,2043.89 h16 r180; PLACE_BOUND_TOP "16" at 4167.63,2043.89 h16 r180; PLACE_BOUND_TOP "10" at 4096.77,2043.89 h16 r180; PLACE_BOUND_TOP "8" at 4079.54,2043.89 h16 r180; PLACE_BOUND_TOP "14" at 4144.01,2043.89 h16 r180; PLACE_BOUND_TOP "12" at 4120.39,2043.89 h16 r180; PLACE_BOUND_TOP "3" at 4020.49,2158.07 h16 r180
CN3: PLACE_BOUND_TOP "NO" at 897.63,2145.98 h35; PLACE_BOUND_TOP "FH19C-6S-0R5SH_FPC_CPT" at 651.94,1890.98 h30; PLACE_BOUND_TOP "Remark: D031-013A1\B1" at 1073.82,2371.02 h25; PLACE_BOUND_TOP "Rev   : A1" at 1073.82,2411.02 h25; PLACE_BOUND_TOP "Date  : 2014-08-05" at 1073.82,2451.02 h25; PLACE_BOUND_TOP "Creat : Yuki" at 1073.82,2491.02 h25; PLACE_BOUND_TOP "Ref PN: FH19C-6S-0.5SH" at 1073.82,2531.02 h25; PLACE_BOUND_TOP "Sofer Lib Information" at 1103.82,2581.02 h25; PLACE_BOUND_TOP "1" at 859.4,2250.98 h15.98; PLACE_BOUND_TOP "2" at 879.08,2250.98 h15.98; PLACE_BOUND_TOP "4" at 918.45,2250.98 h15.98; PLACE_BOUND_TOP "3" at 898.77,2250.98 h15.98; PLACE_BOUND_TOP "6" at 957.82,2250.98 h15.98; PLACE_BOUND_TOP "8" at 788.53,2143.7 h15.98; PLACE_BOUND_TOP "7" at 1028.69,2143.7 h15.98; PLACE_BOUND_TOP "5" at 938.14,2250.98 h15.98; ASSEMBLY_BOTTOM "FH19C-6S-0.5SH" at 714,2035.98 h35
H1: PLACE_BOUND_TOP "OK" at 4764.99,205.83 h35; PLACE_BOUND_TOP "HOLE_C9D4R5" at 4700.99,-54.17 h30; PLACE_BOUND_TOP "Remark: D031-006A1" at 4656.99,447.83 h25; PLACE_BOUND_TOP "Rev   : A1" at 4656.99,487.83 h25; PLACE_BOUND_TOP "Date  : 2012-08-01" at 4656.99,527.83 h25; PLACE_BOUND_TOP "Creat : Yuki" at 4656.99,567.83 h25; PLACE_BOUND_TOP "Ref PN: M4 HOLE" at 4656.99,607.83 h25; PLACE_BOUND_TOP "Sofer Lib Information" at 4626.99,657.83 h25; PLACE_BOUND_TOP "1" at 4790.19,195.83 h16
H2: PLACE_BOUND_TOP "OK" at 179,205.83 h35; PLACE_BOUND_TOP "HOLE_C9D4R5" at 115,-54.17 h30; PLACE_BOUND_TOP "Remark: D031-006A1" at 71,447.83 h25; PLACE_BOUND_TOP "Rev   : A1" at 71,487.83 h25; PLACE_BOUND_TOP "Date  : 2012-08-01" at 71,527.83 h25; PLACE_BOUND_TOP "Creat : Yuki" at 71,567.83 h25; PLACE_BOUND_TOP "Ref PN: M4 HOLE" at 71,607.83 h25; PLACE_BOUND_TOP "Sofer Lib Information" at 41,657.83 h25; PLACE_BOUND_TOP "1" at 204.2,195.83 h16
H3: PLACE_BOUND_TOP "OK" at 4764.99,1690.24 h35; PLACE_BOUND_TOP "HOLE_C9D4R5" at 4700.99,1430.24 h30; PLACE_BOUND_TOP "Remark: D031-006A1" at 4656.99,1932.24 h25; PLACE_BOUND_TOP "Rev   : A1" at 4656.99,1972.24 h25; PLACE_BOUND_TOP "Date  : 2012-08-01" at 4656.99,2012.24 h25; PLACE_BOUND_TOP "Creat : Yuki" at 4656.99,2052.24 h25; PLACE_BOUND_TOP "Ref PN: M4 HOLE" at 4656.99,2092.24 h25; PLACE_BOUND_TOP "Sofer Lib Information" at 4626.99,2142.24 h25; PLACE_BOUND_TOP "1" at 4790.19,1680.24 h16
H4: PLACE_BOUND_TOP "OK" at 179,1690.24 h35; PLACE_BOUND_TOP "HOLE_C9D4R5" at 115,1430.24 h30; PLACE_BOUND_TOP "Remark: D031-006A1" at 71,1932.24 h25; PLACE_BOUND_TOP "Rev   : A1" at 71,1972.24 h25; PLACE_BOUND_TOP "Date  : 2012-08-01" at 71,2012.24 h25; PLACE_BOUND_TOP "Creat : Yuki" at 71,2052.24 h25; PLACE_BOUND_TOP "Ref PN: M4 HOLE" at 71,2092.24 h25; PLACE_BOUND_TOP "Sofer Lib Information" at 41,2142.24 h25; PLACE_BOUND_TOP "1" at 204.2,1680.24 h16
L1: PLACE_BOUND_TOP "Remark: ***" at 4031.98,1592 h25; PLACE_BOUND_TOP "Rev   : B1" at 4031.98,1632 h25; PLACE_BOUND_TOP "Date  : 2007-11-27" at 4031.98,1672 h25; PLACE_BOUND_TOP "Creat : Sofer Tech" at 4031.98,1712 h25; PLACE_BOUND_TOP "Ref PN: ***" at 4031.98,1752 h25; PLACE_BOUND_TOP "Sofer Lib Information" at 4061.98,1802 h25; PLACE_BOUND_TOP "L0603" at 3835.98,1470 h30; PLACE_BOUND_TOP "Approved" at 3763.98,1528.33 h35; PLACE_BOUND_TOP "2" at 3854.58,1540 h16; PLACE_BOUND_TOP "1" at 3914.58,1540 h16
L2: PLACE_BOUND_TOP "Remark: Updated Pad size" at 3778.98,1286 h25 r90; PLACE_BOUND_TOP "Rev   : C1" at 3738.98,1286 h25 r90; PLACE_BOUND_TOP "Date  : 2010-12-15" at 3698.98,1286 h25 r90; PLACE_BOUND_TOP "Creat : Sofer Tech" at 3658.98,1286 h25 r90; PLACE_BOUND_TOP "Ref PN: ***" at 3618.98,1286 h25 r90; PLACE_BOUND_TOP "Sofer Lib Information" at 3568.98,1316 h25 r90; PLACE_BOUND_TOP "L1210" at 3909.98,1170 h30 r90; PLACE_BOUND_TOP "Approved" at 3748.98,1165 h35 r90; PLACE_BOUND_TOP "1" at 3854.58,1223 h16 r90; PLACE_BOUND_TOP "2" at 3854.58,1107 h16 r90
R1: PLACE_BOUND_TOP "Remark: ***" at 3948.98,1127 h25 r90; PLACE_BOUND_TOP "Rev   : B1" at 3908.98,1127 h25 r90; PLACE_BOUND_TOP "Date  : 2007-05-10" at 3868.98,1127 h25 r90; PLACE_BOUND_TOP "Creat : Sofer Tech" at 3828.98,1127 h25 r90; PLACE_BOUND_TOP "Ref PN: ***" at 3788.98,1127 h25 r90; PLACE_BOUND_TOP "Sofer Lib Information" at 3738.98,1157 h25 r90; PLACE_BOUND_TOP "Approved" at 3898.98,1000 h35 r90; PLACE_BOUND_TOP "R0603" at 4015.98,1000 h30 r90; PLACE_BOUND_TOP "1" at 4004.58,1030 h16 r90; PLACE_BOUND_TOP "2" at 4004.58,970 h16 r90
R2: PLACE_BOUND_TOP "Remark: ***" at 4072.98,1223 h25 r270; PLACE_BOUND_TOP "Rev   : B1" at 4112.98,1223 h25 r270; PLACE_BOUND_TOP "Date  : 2007-05-10" at 4152.98,1223 h25 r270; PLACE_BOUND_TOP "Creat : Sofer Tech" at 4192.98,1223 h25 r270; PLACE_BOUND_TOP "Ref PN: ***" at 4232.98,1223 h25 r270; PLACE_BOUND_TOP "Sofer Lib Information" at 4282.98,1193 h25 r270; PLACE_BOUND_TOP "Approved" at 3898.98,1350 h35 r270; PLACE_BOUND_TOP "R0603" at 3885.98,1350 h30 r270; PLACE_BOUND_TOP "2" at 4004.58,1380 h16 r270; PLACE_BOUND_TOP "1" at 4004.58,1320 h16 r270
R3: PLACE_BOUND_TOP "Remark: ***" at 4008.98,1477 h25 r90; PLACE_BOUND_TOP "Rev   : B1" at 3968.98,1477 h25 r90; PLACE_BOUND_TOP "Date  : 2007-05-10" at 3928.98,1477 h25 r90; PLACE_BOUND_TOP "Creat : Sofer Tech" at 3888.98,1477 h25 r90; PLACE_BOUND_TOP "Ref PN: ***" at 3848.98,1477 h25 r90; PLACE_BOUND_TOP "Sofer Lib Information" at 3798.98,1507 h25 r90; PLACE_BOUND_TOP "Approved" at 3958.98,1350 h35 r90; PLACE_BOUND_TOP "R0603" at 4075.98,1350 h30 r90; PLACE_BOUND_TOP "2" at 4064.58,1320 h16 r90; PLACE_BOUND_TOP "1" at 4064.58,1380 h16 r90
R4: PLACE_BOUND_TOP "Remark: ***" at 3888.98,1127 h25 r90; PLACE_BOUND_TOP "Rev   : B1" at 3848.98,1127 h25 r90; PLACE_BOUND_TOP "Date  : 2007-05-10" at 3808.98,1127 h25 r90; PLACE_BOUND_TOP "Creat : Sofer Tech" at 3768.98,1127 h25 r90; PLACE_BOUND_TOP "Ref PN: ***" at 3728.98,1127 h25 r90; PLACE_BOUND_TOP "Sofer Lib Information" at 3678.98,1157 h25 r90; PLACE_BOUND_TOP "Approved" at 3838.98,1000 h35 r90; PLACE_BOUND_TOP "R0603" at 3955.98,1000 h30 r90; PLACE_BOUND_TOP "2" at 3944.58,970 h16 r90; PLACE_BOUND_TOP "1" at 3944.58,1030 h16 r90; ASSEMBLY_BOTTOM "[N_A]" at 3920.98,1000 h20 r90
R5: PLACE_BOUND_TOP "Remark: ***" at 3828.98,1127 h25 r90; PLACE_BOUND_TOP "Rev   : B1" at 3788.98,1127 h25 r90; PLACE_BOUND_TOP "Date  : 2007-05-10" at 3748.98,1127 h25 r90; PLACE_BOUND_TOP "Creat : Sofer Tech" at 3708.98,1127 h25 r90; PLACE_BOUND_TOP "Ref PN: ***" at 3668.98,1127 h25 r90; PLACE_BOUND_TOP "Sofer Lib Information" at 3618.98,1157 h25 r90; PLACE_BOUND_TOP "Approved" at 3778.98,1000 h35 r90; PLACE_BOUND_TOP "R0603" at 3895.98,1000 h30 r90; PLACE_BOUND_TOP "2" at 3884.58,970 h16 r90; PLACE_BOUND_TOP "1" at 3884.58,1030 h16 r90
R6: PLACE_BOUND_TOP "Remark: ***" at 1043,1983 h25 r180; PLACE_BOUND_TOP "Rev   : B1" at 1043,1943 h25 r180; PLACE_BOUND_TOP "Date  : 2007-05-10" at 1043,1903 h25 r180; PLACE_BOUND_TOP "Creat : Sofer Tech" at 1043,1863 h25 r180; PLACE_BOUND_TOP "Ref PN: ***" at 1043,1823 h25 r180; PLACE_BOUND_TOP "Sofer Lib Information" at 1013,1773 h25 r180; PLACE_BOUND_TOP "Approved" at 1058,2045 h35 r180; PLACE_BOUND_TOP "R0603" at 1110,2110 h30 r180; PLACE_BOUND_TOP "2" at 1193.6,2045 h16 r180; PLACE_BOUND_TOP "1" at 1133.6,2045 h16 r180; ASSEMBLY_BOTTOM "[N_A]" at 1059,2049.21 h20 r180
R7: PLACE_BOUND_TOP "Remark: ***" at 1043,2038 h25 r180; PLACE_BOUND_TOP "Rev   : B1" at 1043,1998 h25 r180; PLACE_BOUND_TOP "Date  : 2007-05-10" at 1043,1958 h25 r180; PLACE_BOUND_TOP "Creat : Sofer Tech" at 1043,1918 h25 r180; PLACE_BOUND_TOP "Ref PN: ***" at 1043,1878 h25 r180; PLACE_BOUND_TOP "Sofer Lib Information" at 1013,1828 h25 r180; PLACE_BOUND_TOP "Approved" at 1058,2100 h35 r180; PLACE_BOUND_TOP "R0603" at 1110,2165 h30 r180; PLACE_BOUND_TOP "2" at 1193.6,2100 h16 r180; PLACE_BOUND_TOP "1" at 1133.6,2100 h16 r180; ASSEMBLY_BOTTOM "[N_A]" at 1057,2108 h20 r180
R8: PLACE_BOUND_TOP "Remark: ***" at 1297,2052 h25; PLACE_BOUND_TOP "Rev   : B1" at 1297,2092 h25; PLACE_BOUND_TOP "Date  : 2007-05-10" at 1297,2132 h25; PLACE_BOUND_TOP "Creat : Sofer Tech" at 1297,2172 h25; PLACE_BOUND_TOP "Ref PN: ***" at 1297,2212 h25; PLACE_BOUND_TOP "Sofer Lib Information" at 1327,2262 h25; PLACE_BOUND_TOP "Approved" at 1058,1990 h35; PLACE_BOUND_TOP "R0603" at 1110,1925 h30; PLACE_BOUND_TOP "1" at 1193.6,1990 h16; PLACE_BOUND_TOP "2" at 1133.6,1990 h16
SB1: PLACE_BOUND_TOP "2" at 3491.93,1748.98 h16 r90; PLACE_BOUND_TOP "1" at 3491.93,1802.98 h16 r90
SB2: PLACE_BOUND_TOP "2" at 3566.93,1748 h16 r90; PLACE_BOUND_TOP "1" at 3566.93,1802 h16 r90
TP1: PLACE_BOUND_TOP "Approved" at 4403,2255.98 h35; PLACE_BOUND_TOP "Remark: ***" at 4641,2327.98 h25; PLACE_BOUND_TOP "Rev   : A1" at 4641,2367.98 h25; PLACE_BOUND_TOP "Date  : 2007-04-26" at 4641,2407.98 h25; PLACE_BOUND_TOP "Ref PN: ***" at 4641,2487.98 h25; PLACE_BOUND_TOP "Sofer Lib Information" at 4671,2537.98 h25; PLACE_BOUND_TOP "Creat : Sofer Tech" at 4641,2447.98 h25; PLACE_BOUND_TOP "1" at 4508.6,2255.98 h16
TP2: PLACE_BOUND_TOP "Approved" at 4018.98,1435 h35 r270; PLACE_BOUND_TOP "Remark: ***" at 4202.98,1309 h25 r270; PLACE_BOUND_TOP "Rev   : A1" at 4242.98,1309 h25 r270; PLACE_BOUND_TOP "Date  : 2007-04-26" at 4282.98,1309 h25 r270; PLACE_BOUND_TOP "Ref PN: ***" at 4362.98,1309 h25 r270; PLACE_BOUND_TOP "Sofer Lib Information" at 4412.98,1279 h25 r270; PLACE_BOUND_TOP "Creat : Sofer Tech" at 4322.98,1309 h25 r270; PLACE_BOUND_TOP "1" at 4124.58,1435 h16 r270
TP3: PLACE_BOUND_TOP "Approved" at 488,2215 h35 r180; PLACE_BOUND_TOP "Remark: ***" at 474,2143 h25 r180; PLACE_BOUND_TOP "Rev   : A1" at 474,2103 h25 r180; PLACE_BOUND_TOP "Date  : 2007-04-26" at 474,2063 h25 r180; PLACE_BOUND_TOP "Ref PN: ***" at 474,1983 h25 r180; PLACE_BOUND_TOP "Sofer Lib Information" at 444,1933 h25 r180; PLACE_BOUND_TOP "Creat : Sofer Tech" at 474,2023 h25 r180; PLACE_BOUND_TOP "1" at 593.6,2215 h16 r180
TP4: PLACE_BOUND_TOP "Approved" at 3953.98,760 h35 r270; PLACE_BOUND_TOP "Remark: ***" at 4137.98,634 h25 r270; PLACE_BOUND_TOP "Rev   : A1" at 4177.98,634 h25 r270; PLACE_BOUND_TOP "Date  : 2007-04-26" at 4217.98,634 h25 r270; PLACE_BOUND_TOP "Ref PN: ***" at 4297.98,634 h25 r270; PLACE_BOUND_TOP "Sofer Lib Information" at 4347.98,604 h25 r270; PLACE_BOUND_TOP "Creat : Sofer Tech" at 4257.98,634 h25 r270; PLACE_BOUND_TOP "1" at 4059.58,760 h16 r270
TP5: PLACE_BOUND_TOP "Approved" at 3633.98,1435 h35 r270; PLACE_BOUND_TOP "Remark: ***" at 3817.98,1309 h25 r270; PLACE_BOUND_TOP "Rev   : A1" at 3857.98,1309 h25 r270; PLACE_BOUND_TOP "Date  : 2007-04-26" at 3897.98,1309 h25 r270; PLACE_BOUND_TOP "Ref PN: ***" at 3977.98,1309 h25 r270; PLACE_BOUND_TOP "Sofer Lib Information" at 4027.98,1279 h25 r270; PLACE_BOUND_TOP "Creat : Sofer Tech" at 3937.98,1309 h25 r270; PLACE_BOUND_TOP "1" at 3739.58,1435 h16 r270
U1: PLACE_BOUND_TOP "OK" at 3997.98,1165 h35 r180; PLACE_BOUND_TOP "Remark: SH43_QD_PRO_11" at 3862.98,1023 h25 r180; PLACE_BOUND_TOP "Rev   : A1" at 3862.98,983 h25 r180; PLACE_BOUND_TOP "Date  : 2010-09-27" at 3862.98,943 h25 r180; PLACE_BOUND_TOP "Creat : Yuki" at 3862.98,903 h25 r180; PLACE_BOUND_TOP "Ref PN: ***" at 3862.98,863 h25 r180; PLACE_BOUND_TOP "Sofer Lib Information" at 3832.98,813 h25 r180; PLACE_BOUND_TOP "SON8_0R65_3X3" at 3863.98,1333 h30 r180; PLACE_BOUND_TOP "5" at 4057.97,1106.93 h16 r180; PLACE_BOUND_TOP "1" at 3981.19,1223.07 h16 r180; PLACE_BOUND_TOP "8" at 3981.19,1106.93 h16 r180; PLACE_BOUND_TOP "4" at 4057.97,1223.07 h16 r180; PLACE_BOUND_TOP "3" at 4032.38,1223.07 h16 r180; PLACE_BOUND_TOP "9" at 4019.58,1165 h16 r180; PLACE_BOUND_TOP "6" at 4032.38,1106.93 h16 r180; PLACE_BOUND_TOP "7" at 4006.78,1106.93 h16 r180; PLACE_BOUND_TOP "2" at 4006.78,1223.07 h16 r180
Z1: PLACE_BOUND_TOP "1" at 3824.58,870 h16 r180; PLACE_BOUND_TOP "2" at 3914.58,870 h16 r180